# Altium PCB HACK_LINK_V1_new_power.PcbDoc (part 6 of 6)
Units mm, origin at the board's own origin, x right, y up, seen from the top; angles counter-clockwise.
Board outline 67.51 x 40.01 mm, 6 copper layers (L1, L2, L3, GND, POWER, L6); 277 components, 286 nets, 1682 pads, 596 vias.
Unrouted connection lines stored in the file: 4.
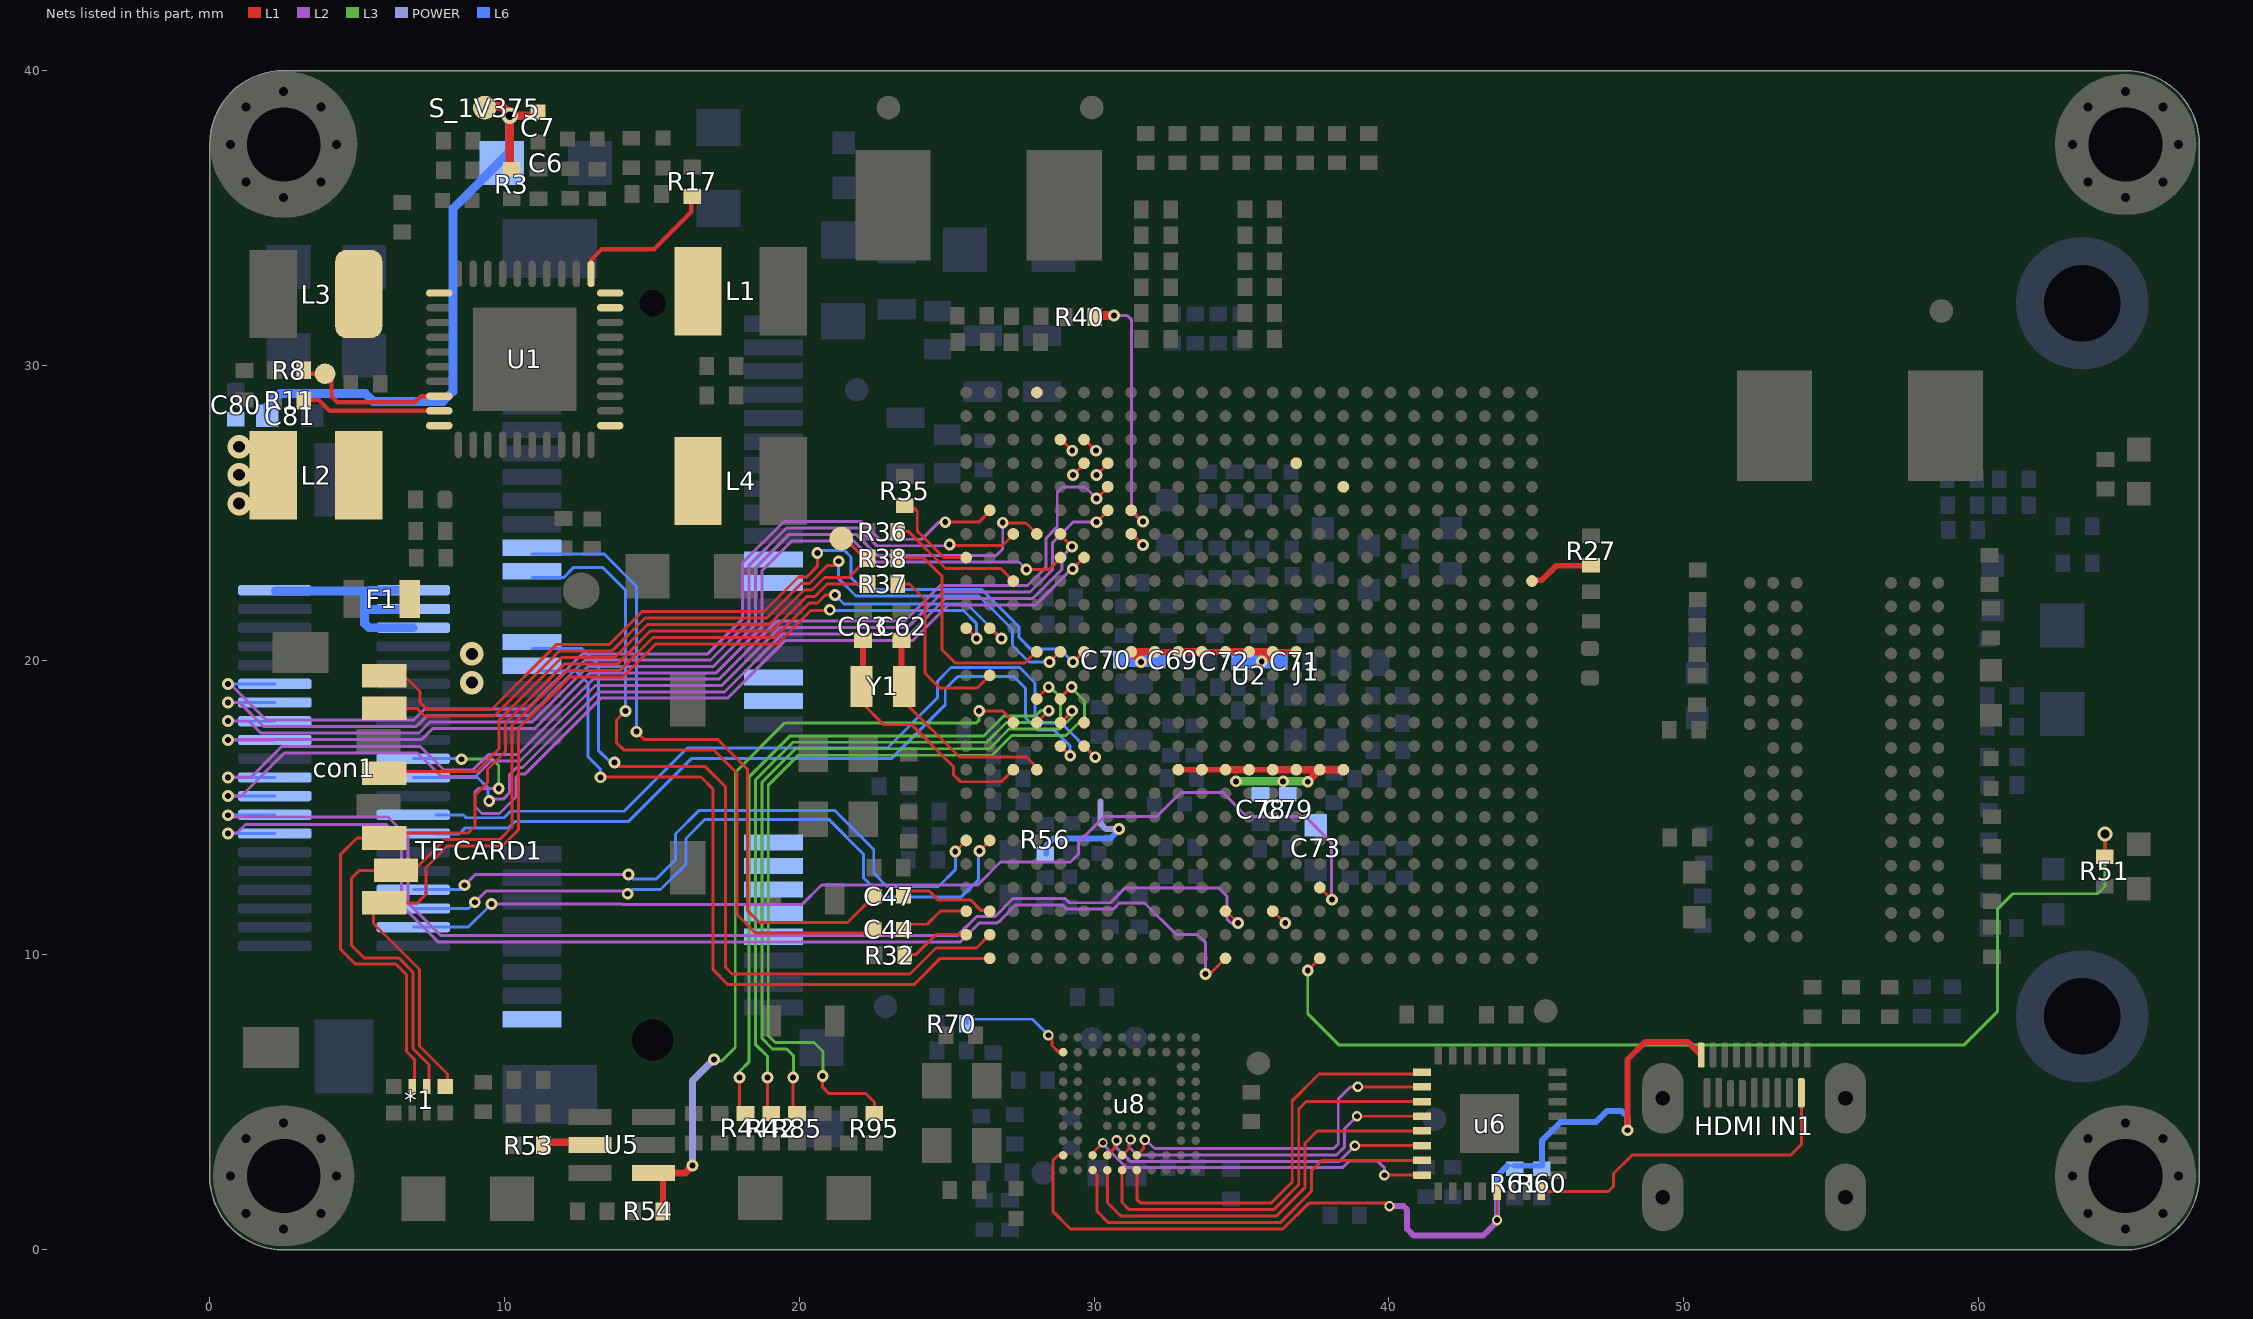
[diagram p10: the nets of this part, all layers, seen from the top]

## Via types
v1: diameter 0.4, hole 0.2, L1 to L6, tented both sides, 388 vias
v2: diameter 0.35, hole 0.2, L1 to L6, tented both sides, 45 vias
v3: diameter 0.45, hole 0.2, L1 to L6, tented both sides, 34 vias
v4: diameter 0.5, hole 0.3, L1 to L6, tented both sides, 31 vias
v5: diameter 0.8, hole 0.4, L1 to L6, 26 vias
v6: diameter 0.325, hole 0.2, L1 to L6, tented both sides, 14 vias
v7: diameter 0.6, hole 0.35, L1 to L6, 8 vias
v8: diameter 0.6, hole 0.3, L1 to L6, tented both sides, 6 vias
v9: diameter 0.45, hole 0.3, L1 to L6, tented both sides, 6 vias
v10: diameter 0.7, hole 0.4, L1 to L6, 5 vias
v11: diameter 0.7, hole 0.35, L1 to L6, 5 vias
v12: diameter 0.3, hole 0.2, L1 to L6, tented both sides, 4 vias
v13: diameter 0.7, hole 0.45, L1 to L6, tented both sides, 3 vias
v14: diameter 0.55, hole 0.3, L1 to L6, 3 vias
v15: diameter 0.5, hole 0.35, L1 to L6, 3 vias
v16: diameter 0.6, hole 0.35, L1 to L6, tented both sides, 2 vias
v17: diameter 0.7, hole 0.3, L1 to L6, 2 vias
v18: diameter 0.55, hole 0.3, L1 to L6, tented both sides, 2 vias
v19: diameter 0.4, hole 0.25, L1 to L6, tented both sides, 2 vias
v20: diameter 0.65, hole 0.335, L1 to L6, tented both sides, 1 vias
v21: diameter 0.6, hole 0.4, L1 to L6, tented both sides, 1 vias
v22: diameter 0.8, hole 0.45, L1 to L6, 1 vias
v23: diameter 0.9, hole 0.9, L1 to L6, 1 vias
v24: diameter 0.7, hole 0.7, L1 to L6, 1 vias
v25: diameter 0.4, hole 0.3, L1 to L6, tented both sides, 1 vias
v26: diameter 0.45, hole 0.25, L1 to L6, tented both sides, 1 vias

## Nets (pads, with @x,y where several pads share a name; then routed paths per layer and width w, separated by ;. In a path a pad name is that pad's centre, name@x,y a point inside that pad or via, vN(x,y) a via of type N, cw(c..) or ccw(c..) an arc to the next point about the centre after c; other vN are vias at no path point) (continued)
ON_OFF: R42.1 U2.D12 | length 24.5
  L1 w0.1: R42.1@18.916,4.563 v1@18.916,5.89 ; U2.D12@28.05,18.7 v1@28.41,19.06
  L3 w0.1: v1@18.925,5.9 18.925,6.55 18.505,6.97 18.505,15.938 19.782,17.215 26.357,17.215 27.027,17.885 28.685,17.885 28.857,18.057 28.857,18.743 28.515,19.085 v1(28.46,19.085)
  other v1: 18.916,5.84
PCI3_UIM_CLK: J1.12
PCIE_C_TX_N: C44.1 U2.A3 | length 2.3
  L1 w0.1: C44.1@23.541,11.04 24.341,11.04 24.791,11.49 U2.A3@25.654,11.49
PCIE_C_TX_P: C47.1 U2.B3 | length 3.2
  L1 w0.1: C47.1@23.541,12.165 24.404,12.165 24.699,11.87 25.803,11.87 26.173,11.5 U2.B3@26.45,11.5
PCIE_DIS_B: J1.20
PCIE_REXT: R32.2 U2.A2 | length 2.4
  L1 w0.1: R32.2@23.572,10.019 23.969,10.019 24.65,10.7 U2.A2@25.65,10.7
PCIE_RST_B: J1.22
PCIE_RX_N: J1.23 U2.B1 | length 25.2
  L1 w0.1: v1@13.266,16.034 16.66,16.034 17.075,15.619 17.075,9.493 17.568,9 23.9,9 24.784,9.884 U2.B1@26.46,9.884
  L6 w0.1: J1.23@11.21,19.634 12.416,19.634 12.825,19.225 12.825,16.725 13.251,16.299 v1(13.251,16.026)
PCIE_RX_P: J1.25 U2.B2 | length 25.9
  L1 w0.1: v1@13.712,16.388 16.807,16.388 17.5,15.695 17.5,9.569 17.715,9.354 23.753,9.354 24.637,10.238 26.014,10.238 U2.B2@26.46,10.684
  L6 w0.1: J1.25@10.929,20.399 12.627,20.399 13.179,19.847 13.179,16.946 13.6,16.525 v1(13.725,16.525)
PCIE_SMB_CLK: J1.30
PCIE_SMB_DATA: J1.32
PCIE_TX_N: C44.2 J1.31 | length 23.2
  L1 w0.1: v1(14.101,18.276) 13.8,17.975 13.8,17.2 14.041,16.959 17.084,16.959 17.881,16.162 17.881,11.368 18.503,10.746 22.406,10.746 C44.2@22.525,10.865
  L6 w0.1: J1.31@10.929,22.799 11.994,22.799 12.345,23.15 13.324,23.15 14.101,22.374 v1(14.101,18.276)
PCIE_TX_P: C47.2 J1.33 | length 22.8
  L1 w0.1: v1(14.475,17.575) 14.737,17.313 17.231,17.313 18.235,16.309 18.235,11.515 18.65,11.1 21.635,11.1 C47.2@22.525,11.99
  L6 w0.1: J1.33@10.929,23.599 13.376,23.599 14.475,22.5 v1(14.475,17.575)
PCIE_UIM_DATA: J1.10
PCIE_UIM_PWR: J1.8
PCIE_UIM_RST: J1.14
PCIE_UIM_VPP: J1.16
PCIE_WAKE: J1.1 U2.P3 | length 0.6
  L1 w0.1: U2.P3@36.076,11.494 v1(36.486,11.084)
PGOOD: R11.2 U1.39 | length 4.8
  L1 w0.15: R11.2@3.172,28.83 3.695,28.83 4.066,28.459 U1.39@7.782,28.459
PIX_IO1: con1.11 U2.E19 | length 27.8
  L1 w0.1: U2.E19@28.86,24.284 28.85,24.274 28.85,24.253 v1(29.251,23.851)
  L2 w0.1: v1(9.475,15.225) 9.592,15.342 9.649,15.285 9.951,15.285 10.165,15.499 10.165,16.115 10.41,16.36 10.61,16.36 13.175,18.925 17.464,18.925 19.434,20.895 23.767,20.895 24.962,22.09 27.921,22.09 28.905,23.074 28.905,23.505 v1(29.251,23.851)
  L6 w0.1: con1.11@6.9,16.022 9.078,16.022 9.43,15.67 9.43,15.27 v1(9.475,15.225)
PIX_PPM: con1.10 U2.F18 | length 29.8
  L1 w0.1: v1(29.275,23.099) U2.F18@29.66,23.484
  L2 w0.1: v1(9.8,15.65) 9.1,15.65 8.995,15.545 8.995,15.033 9.228,14.8 9.825,14.8 10.381,15.356 10.381,16.026 10.499,16.144 10.699,16.144 13.264,18.71 17.56,18.71 19.525,20.675 23.858,20.675 25.053,21.87 27.853,21.87 27.858,21.865 28.007,21.865 29.241,23.099 v1(29.275,23.099)
  L3 w0.1: v1(8.534,16.64) 9.585,16.64 9.8,16.425 v1(9.8,15.65)
  L6 w0.1: con1.10@6.9,16.657 v1@8.498,16.657
PMIC_ON_REQ: R44.1 U2.D11 | length 23
  L1 w0.1: R44.1@17.966,4.613 v1@17.966,5.89 ; U2.D11@28.05,17.875 v1@28.413,18.238
  L3 w0.1: 17.966,6.04 18.285,6.359 18.285,16.029 19.691,17.435 26.265,17.435 26.935,18.105 28.01,18.105 28.193,18.288 v1(28.463,18.288)
  other v1: 17.966,5.84
PMIC_STBY_REQ: U2.F11
POR_BN: R54.1 U2.C11 U5.1 | length 27.7
  L1 w0.1: U5.1@15.05,2.601 U5.1@15.369,2.6 ; U5.1@15.05,2.601 U5.1@15.369,2.601 ; v1(26.101,18.276) 26.899,18.276 U2.C11@27.275,17.9
  L1 w0.2: R54.1@15.369,1.396 U5.1@15.369,2.6 ; U5.1@15.369,2.601 U5.1@15.369,2.625
  L1 w0.25: U5.1@15.369,2.6 16.125,2.6 v1@16.35,2.825
  L3 w0.1: v1@17.1,6.4 17.364,6.4 17.825,6.861 17.825,16.192 19.508,17.875 26.014,17.875 26.101,17.962 v1(26.101,18.276)
  POWER w0.25: v1(16.375,2.85) 16.375,5.725 v1(17.1,6.45)
PWR_ON: R17.1 U1.21 | length 5.1
  L1 w0.15: U1.21@12.932,33.109 12.932,33.582 13.3,33.95 15.075,33.95 16.339,35.214 R17.1@16.339,35.739
RGMII_RSTN_R: U2.U21
RSTO: pad.9@3.906,29.719 R8.2 U1.38 | length 5.4
  L1 w0.15: R8.2@3.172,29.719 pad.9@3.906,29.719 4.125,29.5 4.125,28.95 4.325,28.75 6.95,28.75 7.159,28.959 U1.38@7.782,28.959
RSTOUTN_R: U2.H19 | length 0.5
  L1 w0.1: U2.H19@31.276,24.294 v1(31.661,23.909)
RTC_XTALI: C62.1 U2.D9 Y1.1 | length 7.5
  L1 w0.1: Y1.1@23.56,19.109 23.56,18.584 25.43,16.714 27.705,16.714 28.06,16.359 U2.D9@28.06,16.284
  L1 w0.2: Y1.1@23.468,19.201 C62.1@23.468,20.66
RTC_XTALO: C63.1 U2.C9 Y1.2 | length 8.6
  L1 w0.1: Y1.2@22.11,19.109 22.11,18.565 22.866,17.809 23.81,17.809 25.225,16.394 25.225,16.125 25.475,15.875 26.851,15.875 U2.C9@27.26,16.284
  L1 w0.2: Y1.2@22.157,19.156 C63.1@22.157,20.66
RXA_5V: "HDMI IN1.19" R60.2 R61.2 u6.13 u8.A2 | length 33.1
  L1 w0.1: u8.A2@28.95,3.2 28.775,3.2 28.6,3.025 28.6,1.3 29.205,0.695 36.406,0.695 37.286,1.575 v2@40.025,1.575 ; v2(43.675,1) u6.13@43.675,1.975
  L1 w0.2: v1(48.1,4.05) 48.1,6.45 48.7,7.05 50.15,7.05 50.6,6.6
  L2 w0.1: v2@43.675,0.95 v2(43.675,1)
  L2 w0.2: v2(40.025,1.475) 40.5,1.475 40.625,1.35 40.625,0.7 40.85,0.475 43.2,0.475 v2@43.675,0.95
  L6 w0.1: R61.2@44.021,2.846 R61.2@44.27,2.846
  L6 w0.2: v2(43.675,1) 43.675,2.5 R61.2@44.021,2.846 ; R61.2@44.27,2.846 45.195,2.846 45.195,3.695 45.825,4.325 47.025,4.325 47.4,4.7 47.9,4.7 48.1,4.5 v1(48.1,4.05)
SCLK: R70.1 u8.A9 | length 4
  L1 w0.1: v2(28.45,7.275) 28.57,7.155 28.57,6.93 28.8,6.7 u8.A9@28.95,6.7
  L6 w0.1: R70.1@25.694,7.666 25.694,7.818 27.907,7.818 v2(28.45,7.275)
SD3_CD: R35.2 U2.A18 | length 3.4
  L1 w0.1: R35.2@23.347,25.244 23.806,25.244 24,25.05 24,24.386 24.902,23.484 U2.A18@25.66,23.484
SD3_CLK: "TF CARD1.5" pad.0@21.425,24.125 R38.2 | length 21.1
  L1 w0.1: 5.553,16.151 5.704,16 ; 6.175,16.225 9.042,16.225 9.81,16.993 9.81,17.963 11.932,20.085 13.727,20.085 14.852,21.21 18.982,21.21 20.157,22.385 20.433,22.385 20.854,22.806 21.68,22.806 R38.2@22.335,23.461 22.214,23.461 21.625,24.05 pad.0@21.425,24.125
SD3_CLK_R: R38.1 U2.D14 | length 7.8
  L1 w0.1: R38.1@23.335,23.461 24.233,23.461 24.835,22.859 24.835,20.359 25.284,19.91 27.66,19.91 28.05,20.3 U2.D14@28.05,20.274
SD3_CMD: "TF CARD1.3" *1.7 R37.2 | length 32.9
  L1 w0.1: *1.7@6.935,5.534 6.935,6.462 6.67,6.727 6.67,9.324 6.309,9.685 4.94,9.685 4.425,10.2 4.425,13.4 4.992,13.967 5.918,13.967 6.091,14.14 8.765,14.14 8.995,14.37 8.995,15.42 9.42,15.845 9.42,16.292 10.03,16.902 10.03,17.872 12.023,19.865 13.818,19.865 14.943,20.99 19.073,20.99 20.248,22.165 20.524,22.165 20.945,22.586 R37.2@22.335,22.586
SD3_CMD_R: R37.1 U2.B13 | length 6.2
  L1 w0.1: R37.1@23.335,22.586 23.733,22.586 24.26,22.059 24.26,19.559 24.76,19.059 26.035,19.059 U2.B13@26.46,19.484
SD3_DATA0: "TF CARD1.7" U2.E14 | length 28.6
  L1 w0.1: 5.553,18.351 6.718,18.351 ; 5.918,18.367 7.022,18.367 7.28,18.109 9.645,18.109 11.841,20.305 13.636,20.305 14.761,21.43 18.891,21.43 20.066,22.605 20.342,22.605 20.946,23.209 v1@21.335,23.209 ; v1(28.485,19.934) U2.E14@28.85,20.3
  L6 w0.1: v1(21.335,23.359) 21.335,22.765 21.925,22.175 26.1,22.175 27.23,21.045 27.23,20.495 27.791,19.934 v1(28.485,19.934)
SD3_DATA1: "TF CARD1.8" U2.F14 | length 29.6
  L1 w0.1: 5.553,19.451 6.618,19.451 7.13,18.939 7.13,18.57 7.371,18.329 9.554,18.329 11.75,20.525 13.544,20.525 14.669,21.65 18.8,21.65 19.975,22.825 20.251,22.825 20.61,23.184 v1(20.61,23.634) ; v1(29.284,19.934) U2.F14@29.65,20.3
  L6 w0.1: v1(20.61,23.634) 20.705,23.729 21.521,23.729 21.75,23.5 21.75,22.795 22.15,22.395 26.191,22.395 27.45,21.136 27.45,20.775 27.85,20.375 28.843,20.375 v1(29.284,19.934)
SD3_DATA2: "TF CARD1.1" *1.5 U2.A15 | length 35.2
  L1 w0.1: 5.553,11.751 5.553,11.063 7.11,9.506 7.11,6.909 8.06,5.959 *1.5@8.06,5.534 ; 5.918,11.767 7.042,11.767 7.331,12.056 7.331,12.969 8.061,13.7 9.925,13.7 10.47,14.245 10.47,17.689 12.206,19.425 14,19.425 15.125,20.55 19.256,20.55 20.39,21.684 v1@21.035,21.684 ; U2.A15@25.65,21.1 v1(26.016,20.734)
  L6 w0.1: v1@21.035,21.684 25.566,21.684 26.016,21.234 v1(26.016,20.734)
  other v1: 21.035,21.709
SD3_DATA3: "TF CARD1.2" *1.6 U2.B15 | length 37.8
  L1 w0.1: 6.318,12.867 5.067,12.867 4.8,12.6 4.8,10.325 5.225,9.9 6.405,9.9 6.89,9.415 6.89,6.818 7.435,6.273 *1.6@7.435,5.534 ; 6.525,12.867 6.917,12.867 7.97,13.92 9.834,13.92 10.25,14.336 10.25,17.781 12.114,19.645 13.909,19.645 15.034,20.77 19.164,20.77 20.339,21.945 20.615,21.945 20.881,22.211 v1(21.212,22.211) ; U2.B15@26.45,21.1 v1@26.816,20.734
  L6 w0.1: v1(21.212,22.211) 21.518,21.904 25.69,21.904 v1(26.86,20.734)
SD3_WP: R36.1 U2.C17 | length 4.6
  L1 w0.1: R36.1@23.335,24.361 23.714,24.361 24.961,23.114 26.83,23.114 U2.C17@27.26,22.684
SENSE_RESET: R53.1 U5.5 | length 1.5
  L1 w0.254: R53.1@11.372,3.651 U5.5@12.85,3.651
SOC_1V375: C6.1 C7.1 C69.1 C70.1 C71.1 C72.1 C73.1 C78.1 C79.1 C80.1 C81.1 L2.2 pad.11@1.725,26.3 R3.2 R56.1 S_1V375.1 U2.H14 U2.J14 U2.K9 U2.K14 U2.L9 U2.L14 U2.M9 U2.M14 U2.N9 U2.N14 U2.P9 U2.P14 U2.R9 U2.R14 U2.T9 U2.U9 | length 45.1
  L1 w0.15: L2.2@1.9,26.275 L2.2@2.306,25.869
  L1 w0.2: U2.J14@32.06,20.284 U2.K14@32.86,20.284 ; U2.K9@32.86,16.284 U2.L9@33.66,16.284 U2.M9@34.46,16.284 ; U2.L14@33.66,20.284 U2.M14@34.46,20.284 ; U2.N9@35.26,16.284 U2.P9@36.06,16.284 ; U2.P14@36.06,20.284 U2.R14@36.86,20.284
  L1 w0.25: v1@31.61,19.934 U2.H14@31.26,20.284 U2.J14@32.06,20.284 ; U2.K14@32.86,20.284 U2.L14@33.66,20.284 ; U2.M14@34.46,20.284 U2.N14@35.26,20.284 U2.P14@36.06,20.284 v1@35.71,19.934
  L1 w0.254: U2.M9@34.46,16.284 U2.N9@35.26,16.284 ; U2.P9@36.06,16.284 U2.R9@36.86,16.284 U2.T9@37.66,16.284 ; v1@37.295,15.919 U2.T9@37.66,16.284 ; U2.U9@38.46,16.284 U2.T9@37.66,16.284
  L1 w0.3: L2.2@1.9,26.275 L2.2@1.9,27.527 ; S_1V375.1@9.2,38.8 9.9,38.8 10.175,38.525 v14(10.175,38.475) ; R3.2@10.246,36.656 10.175,36.727 v14(10.175,38.475) ; C7.1@11,38.475 v14(10.175,38.475)
  L3 w0.3: v1(34.816,15.89) v1(36.416,15.89) v1@37.251,15.89
  POWER w0.2: 30.225,15.2 30.225,14.45 30.4,14.275 v1(30.85,14.275)
  L6 w0.2: R56.1@28.379,13.431 28.379,13.704 28.625,13.95 30.55,13.95 v1@30.9,14.3
  L6 w0.254: C81.1@1.95,28.3 C81.1@1.95,28.625
  L6 w0.3: C81.1@1.95,28.625 2.375,29.05 5.275,29.05 5.545,28.78 7.905,28.78 8.247,29.122 8.247,35.322 10.175,37.25 v14(10.175,38.475)
  L6 w0.5: C70.1@30.891,20.015 C69.1@32.166,20.015 ; C72.1@34.916,19.965 C71.1@36.316,19.965
  other v1: 37.251,15.875 31.591,19.94 35.691,19.953
  other v5: 0.991,25.315 0.991,26.29 0.991,27.24
SW1: L2.1 U1.40
SW2: L3.1 U1.31
SW3: L1.1 U1.20
SW4: L4.1 U1.11
TAMPER: R85.1 U2.E11 | length 24.2
  L1 w0.1: R85.1@19.791,4.588 v1@19.791,5.89 ; U2.E11@28.859,17.865 v1@29.225,18.231
  L3 w0.1: v1@19.8,5.875 19.8,6.581 19.571,6.81 19.093,6.81 18.725,7.178 18.725,15.847 19.873,16.995 26.448,16.995 27.118,17.665 28.84,17.665 29.25,18.075 v1(29.25,18.281)
  other v1: 19.791,5.84
TEST_MODE: R95.2 U2.E12 | length 27.6
  L1 w0.1: v1(20.791,5.89) 20.791,5.509 21,5.3 22.25,5.3 22.546,5.004 R95.2@22.546,4.581 ; U2.E12@28.825,18.7 v1@29.141,19.016
  L3 w0.1: v1@20.8,5.85 20.8,6.725 20.495,7.03 19.184,7.03 18.945,7.269 18.945,15.756 19.964,16.775 26.539,16.775 27.209,17.445 29.045,17.445 29.675,18.075 29.675,18.625 29.241,19.059 v1(29.241,19.091) v1@29.191,19.091
TX_CK+: u6.7 u8.C1 | length 13.9
  L1 w0.1: u8.C1@29.95,2.7 30.1,2.55 30.1,1.3 30.485,0.915 36.315,0.915 37.385,1.985 37.385,2.685 37.725,3.025 u6.7@41.125,3.025
TX_CK-: u6.8 u8.C2 | length 12.2
  L1 w0.1: u8.C2@29.95,3.2 29.95,3.274 v6(30.301,3.625) ; v2(39.85,2.525) u6.8@41.125,2.525
  L2 w0.1: v6@30.276,3.599 31.096,2.779 31.893,2.779 31.895,2.781 32.355,2.781 32.357,2.779 38.429,2.779 38.65,3 39.625,3 39.85,2.775 v2(39.85,2.525)
TX_D0+: u6.5 u8.D1 | length 14
  L1 w0.1: u8.D1@30.45,2.7 30.45,1.6 30.915,1.135 36.185,1.135 37.165,2.115 37.165,3.615 37.575,4.025 u6.5@41.125,4.025
TX_D0-: u6.6 u8.D2 | length 11.6
  L1 w0.1: u8.D2@30.45,3.2 30.7,3.45 v2@30.7,3.675 ; v2(38.85,3.525) u6.6@41.125,3.525
  L2 w0.1: v2(30.765,3.709) 30.765,3.46 31.229,2.996 32.444,2.996 32.446,2.994 38.319,2.994 v2(38.85,3.525)
TX_D1+: u6.3 u8.E1 | length 14.4
  L1 w0.1: u8.E1@30.95,2.7 30.95,1.6 31.195,1.355 36.094,1.355 36.945,2.206 36.945,4.77 37.2,5.025 u6.3@41.125,5.025
TX_D1-: u6.4 u8.E2 | length 11.8
  L1 w0.1: u8.E2@30.95,3.2 31.2,3.45 v2@31.2,3.675 ; v2(38.925,4.525) u6.4@41.125,4.525
  L2 w0.1: v2@31.19,3.709 31.19,3.485 31.463,3.212 32.534,3.212 32.536,3.21 38.223,3.21 38.505,3.491 38.505,4.106 v2(38.925,4.525)
  other v2: 31.24,3.734
TX_D2+: u6.1 u8.F1 | length 14.7
  L1 w0.1: 31.45,2.225 u8.F1@31.45,2.7 31.45,1.71 31.585,1.575 36.003,1.575 36.725,2.297 36.725,5.05 37.63,5.955 41.055,5.955 u6.1@41.125,6.025
TX_D2-: u6.2 u8.F2 | length 11.8
  L1 w0.1: u8.F2@31.45,3.2 31.675,3.425 v2@31.675,3.7 ; v2(38.95,5.525) u6.2@41.125,5.525
  L2 w0.1: v2@31.765,3.709 32.047,3.427 32.623,3.427 32.625,3.425 38.128,3.425 38.285,3.582 38.285,5.11 38.7,5.525 v2(38.95,5.525)
  other v2: 31.725,3.725
UART1_CTS: con1.30 U2.G21 | length 37.8
  L1 w0.1: v1(30.085,25.483) U2.G21@30.47,25.868
  L2 w0.1: v1@0.616,16.04 1.404,16.04 2.439,17.075 7.133,17.075 7.938,16.27 8.92,16.27 9.445,16.795 10.436,16.795 12.997,19.356 17.272,19.356 19.252,21.335 23.585,21.335 24.78,22.53 27.738,22.53 28.375,23.167 28.375,24.15 28.75,24.525 28.75,25.7 28.925,25.875 29.693,25.875 v1(30.085,25.483)
  L6 w0.1: v1@0.603,16.022 con1.30@2.2,16.022
  other v1: 0.616,16.015
UART1_DCD: U2.D25
UART1_DSR: U2.G22 | length 0.5
  L1 w0.1: v1(30.085,26.283) U2.G22@30.47,26.668
UART1_DTR: U2.F22 | length 0.5
  L1 w0.1: v1(29.285,26.283) U2.F22@29.67,26.668
UART1_RI: U2.F23 | length 0.5
  L1 w0.1: U2.F23@29.676,27.494 v1(30.061,27.109)
UART1_RTS: con1.29 U2.G20 | length 36.7
  L1 w0.1: v1(30.085,24.683) U2.G20@30.47,25.068
  L2 w0.1: v1@0.616,15.395 1.07,15.395 2.525,16.85 7.047,16.85 7.847,16.05 9.011,16.05 9.536,16.575 10.52,16.575 13.086,19.14 17.368,19.14 19.343,21.115 23.676,21.115 24.871,22.31 27.829,22.31 28.595,23.076 28.595,23.995 29.283,24.683 v1(30.085,24.683)
  L6 w0.1: v1@0.582,15.387 con1.29@2.2,15.387
  other v1: 0.616,15.39
UART1_RXD: con1.28 U2.M3 | length 41.2
  L1 w0.1: U2.M3@34.476,11.494 v1(34.886,11.084)
  L2 w0.1: v1@0.616,14.765 0.7,14.681 6.044,14.681 6.725,14 6.725,11.767 7.827,10.665 25.376,10.665 26.009,11.298 26.626,11.298 26.673,11.345 26.686,11.345 27.251,11.91 29.024,11.91 29.164,11.77 30.556,11.77 31.061,12.275 34.218,12.275 34.516,11.977 34.516,11.209 34.641,11.084 v1(34.886,11.084)
  L6 w0.1: v1@0.577,14.752 con1.28@2.2,14.752
  other v1: 0.616,14.74
UART1_TXD: con1.27 U2.M1 | length 41.3
  L1 w0.1: v1(33.777,9.35) 33.926,9.35 U2.M1@34.46,9.884
  L2 w0.1: v1@0.616,14.14 0.92,14.14 1.205,14.425 5.989,14.425 6.505,13.909 6.505,11.676 7.736,10.445 25.467,10.445 26.105,11.083 26.721,11.083 26.764,11.125 26.77,11.125 27.34,11.694 28.935,11.694 29.061,11.568 29.079,11.55 30.647,11.55 30.862,11.765 31.71,11.765 32.787,10.688 33.512,10.688 33.787,10.413 33.787,9.49 33.926,9.35 v1(33.777,9.35)
  L6 w0.1: v1@0.567,14.117 con1.27@2.2,14.117
  other v1: 0.616,14.115
UART2_CTS: con1.35 U2.B20 | length 32.5
  L1 w0.1: v1(24.95,24.683) 26.085,24.683 U2.B20@26.47,25.068
  L2 w0.1: v1@0.616,19.205 0.672,19.205 1.907,17.97 6.912,17.97 7.287,18.345 10.767,18.345 12.64,20.217 16.89,20.217 18.065,21.393 18.065,23.298 19.477,24.71 22.109,24.71 22.716,24.103 24.153,24.103 24.733,24.683 v1(24.95,24.683)
  L6 w0.1: v1@0.582,19.197 con1.35@2.2,19.197
  other v1: 0.616,19.19
UART2_RTS: con1.34 U2.C19 | length 32.9
  L1 w0.1: v1@25.1,23.89 26.892,23.89 U2.C19@27.27,24.268 ; v1(25.1,23.925) v1@25.111,23.914
  L2 w0.1: v1@0.616,18.57 0.996,18.57 1.816,17.75 7.003,17.75 7.378,18.125 10.852,18.125 12.729,20.002 16.985,20.002 18.285,21.302 18.285,23.207 19.568,24.49 22.018,24.49 22.625,23.883 v1@25.058,23.883
  L6 w0.1: v1@0.582,18.562 con1.34@2.2,18.562
  other v1: 0.616,18.565
UART2_RXD: con1.32 U2.E18 | length 34.3
  L1 w0.1: v1(27.701,23.076) 28.478,23.076 U2.E18@28.87,23.468
  L2 w0.1: v1@0.616,17.31 7.185,17.31 7.56,17.685 11.021,17.685 12.907,19.571 17.177,19.571 18.725,21.119 18.725,23.025 19.75,24.05 21.836,24.05 22.551,23.335 27.449,23.335 v1@27.701,23.083
  L6 w0.1: v1@0.603,17.292 con1.32@2.2,17.292
  other v1: 0.616,17.29
UART2_TXD: con1.33 U2.D19 | length 34.6
  L1 w0.1: v1(26.901,24.667) 26.914,24.654 27.69,24.654 U2.D19@28.06,24.284
  L2 w0.1: v1@0.616,17.945 1.31,17.945 1.725,17.53 7.094,17.53 7.469,17.905 10.937,17.905 12.818,19.787 17.081,19.787 18.505,21.211 18.505,23.116 19.659,24.27 21.927,24.27 22.642,23.555 26.68,23.555 26.901,23.776 v1(26.901,24.667)
  L6 w0.1: v1@0.603,17.927 con1.33@2.2,17.927
  other v1: 0.616,17.94
USB0_ID: con1.19 U2.T4 | length 36.4
  L1 w0.1: U2.T4@37.685,12.265 v1(38.075,11.875)
  L2 w0.1: v1@9.624,11.725 14.002,11.725 14.022,11.705 20.083,11.705 20.753,12.375 26.053,12.375 26.826,13.148 29.198,13.148 29.475,13.425 29.475,13.825 30.34,14.69 32.115,14.69 32.929,15.504 34.371,15.504 35.175,14.7 37.168,14.7 38.05,13.818 v1@38.05,11.875
  L6 w0.1: con1.19@6.9,10.942 8.767,10.942 v1(9.552,11.727)
USB0_N: con1.18 U2.B6 | length 24.3
  L1 w0.1: v1(26.11,13.528) U2.B6@26.476,13.894
  L2 w0.1: v1@9.039,11.838 9.363,12.162 14.088,12.162 v1(14.175,12.075)
  L6 w0.1: con1.18@6.9,11.577 8.778,11.577 v1@9.039,11.838 ; v1(14.175,12.075) 14.321,12.221 15.293,12.221 16.15,13.078 16.15,13.951 16.799,14.6 20.999,14.6 22.171,13.428 22.171,12.628 22.828,11.971 25.496,11.971 26.075,12.55 v1@26.075,13.528
  other v1: 8.989,11.788
USB0_P: con1.17 U2.A6 | length 23.1
  L1 w0.1: v1(25.291,13.509) U2.A6@25.676,13.894
  L2 w0.1: v1@8.691,12.415 9.001,12.725 v1(14.2,12.725)
  L6 w0.1: con1.17@6.9,12.212 8.489,12.212 v1@8.691,12.415 ; v1(14.2,12.725) 14.35,12.575 15.146,12.575 15.796,13.225 15.796,14.098 16.603,14.905 21.195,14.905 22.525,13.575 22.525,12.775 22.975,12.325 24.725,12.325 25.291,12.891 v1(25.291,13.509)
  other v1: 8.641,12.365
USB0_PWR_EN: U2.E23 | length 0.5
  L1 w0.1: U2.E23@28.876,27.494 v1(29.261,27.109)
USB1_N: con1.13 U2.F10 | length 27.3
  L1 w0.1: U2.F10@29.65,17.1 v1(30.041,16.709)
  L6 w0.1: con1.13@7.675,14.75 8.6,14.75 8.696,14.654 9.978,14.654 10.199,14.875 14.05,14.875 16.2,17.025 22.988,17.025 24.687,18.724 24.687,19.287 25.15,19.75 27.475,19.75 28,19.225 28,18.15 28.275,17.875 28.875,17.875 v1(30.041,16.709)
USB1_P: con1.14 U2.E10 | length 26.4
  L1 w0.1: U2.E10@28.85,17.1 v1(29.191,16.759)
  L6 w0.1: con1.14@7.7,14.1 8.45,14.1 8.65,14.3 10.125,14.3 10.346,14.521 14.197,14.521 16.347,16.671 23.135,16.671 24.95,18.486 24.95,19.025 25.375,19.45 27.274,19.45 27.675,19.049 27.675,18.05 28.1,17.625 28.65,17.625 29.191,17.084 v1(29.191,16.759)
USB_OC: R40.1 U2.H20 | length 8.9
  L1 w0.1: U2.H20@31.276,25.094 v1(31.661,24.709)
  L1 w0.3: R40.1@30.023,31.7 v1(30.675,31.7)
  L2 w0.1: v1(30.675,31.7) 31.125,31.7 31.275,31.55 31.275,25.05 31.616,24.709 v1(31.661,24.709)
USER_LED: R51.2 U2.T1 | length 36.2
  L1 w0.1: v1(37.25,9.474) U2.T1@37.66,9.884 ; R51.2@64.321,13.431 v4@64.321,14.079
  L3 w0.1: v1(37.25,9.474) 37.25,8 38.3,6.95 59.525,6.95 60.65,8.075 60.65,11.55 61.175,12.075 64.05,12.075 64.3,12.325 v4(64.3,14.1)
UTILITY_CON: "HDMI IN1.2" u6.16 | length 11.5
  L1 w0.1: u6.16@45.175,1.975 47.45,1.975 47.625,2.15 47.625,2.58 48.25,3.205 53.63,3.205 54,3.575 54,5.325
VIN: con1.1 con1.2 con1.3 con1.40 F1.1 pad.11@8.9,20.125 | length 10
  L6 w0.1: con1.40@2.222,22.35 cw(c2.222,22.372) con1.40@2.2,22.372 ccw(c2.272,22.372) con1.40@2.272,22.3
  L6 w0.3: con1.40@2.222,22.35 con1.1@6.1,22.35 ; con1.2@6.888,21.725 5.25,21.725 ; con1.3@6.9,21.102 5.398,21.102 5.25,21.25 5.25,21.725 ; con1.1@6.9,22.372 5.422,22.372 5.25,22.2 5.25,21.725
  other v5: 8.891,19.24 8.891,20.215
VSTB: U1.19
WD_OUT: U2.R22
ZQPAD: R27.1 U2.AE17 | length 2.2
  L1 w0.2: U2.AE17@44.85,22.711 45.183,22.711 45.678,23.206 R27.1@46.846,23.206
pads on no net: "HDMI IN1.0" "HDMI IN1.15" "J1. 43" "J1. " "TF CARD1.NC1" "TF CARD1.NC2" "TF CARD1.NC" con1.0 con1.22 con1.23 con1.24 con1.25 con1.26 J1.3 J1.5 J1.7 J1.17 J1.19 J1.36 J1.38 J1.42 J1.44 J1.45 J1.46 J1.47 J1.49 J1.51 R72.2 SW2.3 U1.26 U1.28 U2.A9 U2.A10 U2.A11 U2.A12 U2.A14 U2.A16 U2.A17 U2.A19 U2.A20 U2.A21 U2.A22 U2.A23 U2.A24 U2.AA1 U2.AA2 U2.AA3 U2.AA4 U2.AA11 U2.AA17 U2.AA18 U2.AA20 U2.AA21 U2.AA23 U2.AA24 U2.AA25 U2.AB1 U2.AB2 U2.AB17 U2.AB18 U2.AB19 U2.AB20 U2.AB21 U2.AB22 U2.AB23 U2.AB25 U2.AC18 U2.AC19 U2.AC20 U2.AC21 U2.AC22 U2.AC23 U2.AC24 U2.AC25 U2.AD17 U2.AD18 U2.AD20 U2.AD21 U2.AD23 U2.AD24 U2.AD25 U2.AE18 U2.AE19 U2.AE20 U2.AE21 U2.AE22 U2.AE23 U2.AE24 U2.B8 U2.B9 U2.B10 U2.B11 U2.B12 U2.B14 U2.B16 U2.B17 U2.B18 U2.B19 U2.B21 U2.B22 U2.B23 U2.B24 U2.B25 U2.C5 U2.C8 U2.C13 U2.C14 U2.C15 U2.C16 U2.C18 U2.C20 U2.C21 U2.C22 U2.C23 U2.C24 U2.C25 U2.D1 U2.D2 U2.D4 U2.D5 U2.D13 U2.D15 U2.D16 U2.D17 U2.D18 U2.D20 U2.D21 U2.D22 U2.D23 U2.E1 U2.E2 U2.E3 U2.E4 U2.E13 U2.E15 U2.E16 U2.E17 U2.E20 U2.E21 U2.E22 U2.E24 U2.E25 U2.F1 U2.F2 U2.F3 U2.F4 U2.F13 U2.F15 U2.F16 U2.F17 U2.F19 U2.F20 U2.F24 U2.F25 U2.G1 U2.G2 U2.G4 U2.G12 U2.G13 U2.G23 U2.H1 U2.H2 U2.H3 U2.H4 U2.H22 U2.H23 U2.H24 U2.J1 U2.J3 U2.J4 U2.J5 U2.J6 U2.J19 U2.J21 U2.J22 U2.J23 U2.J24 U2.K1 U2.K2 U2.K3 U2.K4 U2.K5 U2.K6 U2.K20 U2.K22 U2.K23 U2.L7 U2.M7 U2.M25 U2.N2 U2.N19 U2.N20 U2.N21 U2.N22 U2.N25 U2.P4 U2.P6 U2.P20 U2.P21 U2.P22 U2.P23 U2.P24 U2.P25 U2.R1 U2.R2 U2.R3 U2.R4 U2.R5 U2.R6 U2.R7 U2.R20 U2.R21 U2.R23 U2.R24 U2.R25 U2.T2 U2.T3 U2.T5 U2.T6 U2.T7 U2.T20 U2.T21 U2.T22 U2.T23 U2.T24 U2.T25 U2.U1 U2.U2 U2.U3 U2.U4 U2.U5 U2.U6 U2.U7 U2.U20 U2.U23 U2.U24 U2.U25 U2.V1 U2.V2 U2.V3 U2.V4 U2.V5 U2.V6 U2.V7 U2.V20 U2.V21 U2.V22 U2.V23 U2.V25 U2.W1 U2.W2 U2.W4 U2.W5 U2.W6 U2.W20 U2.W21 U2.W22 U2.W23 U2.W24 U2.W25 U2.Y1 U2.Y2 U2.Y3 U2.Y4 U2.Y17 U2.Y18 U2.Y19 U2.Y20 U2.Y21 U2.Y22 U2.Y23 U2.Y25 U3.J1 U3.L1 U3.L9 U4.J9 U4.L1 U4.L9 u6.25 u6.26 u6.29 u6.31 u6.EXP u8.B4 u8.C9 u8.C10 u8.D9 u8.H1 u8.H2 u8.J1 u8.J2 u8.J3 u8.K1 u8.K2 u8.K3
copper on no net: | length 17
  L1 w0.15: 24.75,9.5 24.75,8.975 28.15,8.975 ; 24.75,27.25 24.75,29.975 27.225,29.975 ; 43.025,29.975 45.75,29.975 45.75,27.5 ; 43.75,9 45.75,9 45.75,9.65
  other v23: 4.55,24.025
  other v24: 4.55,8.655

## Polygon pours and split planes (outlines as drawn)
+DDR_VREF on POWER "Top Layer-No Net" (solid, remove dead copper, pour order 32): 56.385,15.959 56.185,15.759 56.185,15.459 50.931,15.459 cw(c50.931,15.63) 50.81,15.509 ccw(c50.75,15.569) 50.835,15.569 50.835,16.784 56.531,16.784 ccw(c56.531,17.638) 57.135,17.034
+1V5_DDR on POWER "Top Layer-No Net" (solid, remove dead copper, pour order 42): 47.825,6.575 60.475,6.575 ccw(c60.475,7.775) 61.675,7.775 61.675,29.1 ccw(c60.425,29.1) 60.425,30.35 47.575,30.35 ccw(c47.575,29.3) 46.525,29.3 46.525,7.9 ccw(c47.925,7.9) 47.925,6.5
+1V5_DDR on POWER "Top Layer-No Net" (solid, remove dead copper, pour order 44): 61.806,30.185 21.948,30.185 ccw(c21.948,28.917) 20.68,28.917 20.68,25.192 ccw(c21.43,25.192) 21.43,24.442 37.58,24.442 cw(c37.58,23.342) 38.68,23.342 38.68,16.367 ccw(c39.48,16.367) 39.48,15.567 40.855,15.567 ccw(c40.855,16.042) 41.33,16.042 41.33,24.017 cw(c42.08,24.017) 42.08,24.767 48.13,24.767
ARM_1V375 on POWER "Top Layer-No Net" (solid, remove dead copper, pour order 47): 27.425,22.775 36.575,22.775 cw(c36.575,22.1) 37.25,22.1 37.25,20.7 cw(c36.9,20.7) 36.9,20.35 18.45,20.35 cw(c18.45,21.425) 17.375,21.425 17.375,37.65 cw(c17.875,37.65) 17.875,38.15 20.55,38.15 cw(c20.55,37.65) 21.05,37.65 21.05,35 cw(c20.125,35) 20.125,34.075 ccw(c20.125,33.325) 19.375,33.325 19.375,32.475 19.375,23.45 ccw(c19.975,23.45) 19.975,22.85 27.6,22.85 ccw(c27.6,22.875) 27.625,22.875
SOC_1V375 on POWER "Top Layer-No Net" (solid, remove dead copper, pour order 55): 0.1,28 16.325,28 cw(c16.325,27.375) 16.95,27.375 16.95,27.2 16.95,21.175 ccw(c18.075,21.175) 18.075,20.05 37.425,20.05 cw(c37.425,19.3) 38.175,19.3 38.175,15.35 cw(c37.725,15.35) 37.725,14.9 24.1,14.9 cw(c24.1,15.9) 23.1,15.9 23.1,17.45 ccw(c22.65,17.45) 22.65,17.9 15.8,17.9 cw(c15.8,18.8) 14.9,18.8 14.9,23.7 ccw(c14.05,23.7) 14.05,24.55 0.225,24.55 cw(c0.225,24.95) -0.175,24.95 -0.175,27.45 cw(c0.275,27.45) 0.275,27.9
GND on L1 "Top Layer-No Net" (solid, remove dead copper, pour order 48): 17.425,19.825 23.825,19.825 cw(c23.825,19.275) 24.375,19.275 24.375,9.65 cw(c24,9.65) 24,9.275 17.6,9.275 cw(c17.6,9.6) 17.275,9.6 17.275,19.45 cw(c17.65,19.45) 17.65,19.825
GND on L1 "Top Layer-No Net" (solid, remove dead copper, pour order 46): 21.2,19.9 cw(c21.3,19.9) 21.3,20 24.05,20 24.1,20 ccw(c24.1,20.625) 24.725,20.625 24.725,29.125 ccw(c24,29.125) 24,29.85 21.65,29.85 ccw(c21.65,29.55) 21.35,29.55 21.35,20.35 ccw(c21.675,20.35) 21.675,20.025
GND on L1 "Top Layer-No Net" (solid, remove dead copper, pour order 43): 50.525,29.925 54.3,29.925 cw(c54.3,29.625) 54.6,29.625 54.6,18 cw(c53.875,18) 53.875,17.275 49.35,17.275 cw(c49.35,17.95) 48.675,17.95 48.675,25.275 cw(c49.3,25.275) 49.3,25.9 50.575,25.9 ccw(c50.575,26.325) 51,26.325 51,29.7 cw(c51.25,29.7) 51.25,29.95
GND on L1 "Top Layer-No Net" (solid, remove dead copper, pour order 41): 28.25,7.95 28.3,7.9 28.3,0.625 28.3,0.275 cw(c28.175,0.275) 28.175,0.15 27.85,0.15 21.45,0.15 cw(c21.45,1) 20.6,1 20.6,7.925 cw(c21.425,7.925) 21.425,8.75 27.7,8.75 cw(c27.7,8.15) 28.3,8.15 28.3,7.95
+1V5_DDR on L1 "Top Layer-No Net" (solid, remove dead copper, pour order 39): 18.3,24.375 20.409,24.375 ccw(c20.409,24.716) 20.65,24.475 ccw(c20.409,24.716) 20.75,24.716 20.75,25 cw(c21.112,25) 20.856,25.256 20.9,25.3 cw(c21.141,25.059) 21.141,25.4 22.2,25.4 ccw(c22.2,25.702) 22.413,25.488 22.475,25.55 ccw(c22.173,25.852) 22.6,25.852 22.6,28 22.6,28.053 ccw(c22.003,28.053) 22.425,28.475 ccw(c21.942,27.992) 21.942,28.675 20.25,28.675 18.516,28.675 ccw(c18.516,28.334) 18.275,28.575 ccw(c18.396,28.454) 18.225,28.454 18.225,24.5 ccw(c18.346,24.5) 18.26,24.415 18.3,24.375 18.425,24.375
ARM_1V375 on L1 "Top Layer-No Net" (solid, remove dead copper, pour order 37): 18.5,30.959 20.244,30.959 ccw(c20.244,31.215) 20.425,31.034 ccw(c20.184,31.275) 20.525,31.275 20.525,37.559 20.525,37.832 ccw(c20.098,37.832) 20.4,38.134 ccw(c20.038,37.771) 20.038,38.284 19.1,38.284 18.877,38.284 ccw(c18.877,37.857) 18.575,38.159 ccw(c18.877,37.857) 18.45,37.857 18.45,31.484 18.45,31.19 ccw(c18.706,31.19) 18.525,31.009 ccw(c18.646,31.129) 18.646,30.959 18.75,30.959
SW4 on L1 "Top Layer-No Net" (solid, remove dead copper, pour order 36): 13.15,28.075 14.225,28.075 cw(c14.225,27.75) 14.55,27.75 ccw(c14.725,27.75) 14.725,27.575 16.725,27.575 16.95,27.575 cw(c16.95,27.55) 16.975,27.55 16.975,24.625 ccw(c17,24.625) 17,24.6 13.925,24.6 cw(c13.925,24.85) 13.675,24.85 13.675,27.425 ccw(c13.275,27.425) 13.275,27.825 cw(c13.275,27.925) 13.175,27.925 13.175,28.05
SW1 on L1 "Top Layer-No Net" (solid, remove dead copper, pour order 35): 4.25,24.775 5.9,24.775 ccw(c5.9,24.975) 6.1,24.975 6.1,25.475 6.1,25.725 cw(c6.475,25.725) 6.475,26.1 7.525,26.1 ccw(c7.525,26.275) 7.7,26.275 7.7,27.55 cw(c7.95,27.55) 7.95,27.8 8.05,27.8 ccw(c8.05,28) 8.25,28 ccw(c8.175,28) 8.175,28.075 8.05,28.075 4.55,28.075 ccw(c4.55,27.775) 4.25,27.775 4.25,24.8 cw(c4.225,24.8) 4.225,24.775
GND on L6 "Top Layer-No Net" (solid, remove dead copper, pour order 54): 10.2,26.325 cw(c10.225,26.325) 10.225,26.35 16.125,26.35 cw(c16.125,26.275) 16.2,26.275 16.2,22.325 ccw(c16.71,22.325) 16.71,21.815 18.475,21.815 21.785,21.815 cw(c21.785,20.325) 23.275,20.325 23.275,17.5 cw(c23,17.5) 23,17.225 22.8,17.025 16.2,17.025 14.05,14.875 10.199,14.875 10.199,26.349 10.275,26.425
GND on L6 "Top Layer-No Net" (solid, remove dead copper, pour order 53): 5.25,40.075 30.95,40.075 cw(c30.95,39.425) 31.6,39.425 31.6,31.35 cw(c31.325,31.35) 31.325,31.075 29.825,31.075 cw(c29.825,31.375) 29.525,31.375 29.525,32.575 ccw(c29.275,32.575) 29.275,32.825 27.85,32.825 cw(c27.85,33.2) 27.475,33.2 27.475,35.5 ccw(c27.25,35.5) 27.25,35.725 23.675,35.725 ccw(c23.675,35.45) 23.4,35.45 23.4,33.1 cw(c23.15,33.1) 23.15,32.85 1.975,32.85 cw(c1.975,33.275) 1.55,33.275 1.55,39.512 cw(c2.009,39.512) 2.009,39.97 5.295,39.97 ccw(c5.295,40.025) 5.35,40.025
ARM_1V375 on L6 "Top Layer-No Net" (solid, remove dead copper, pour order 51): 18.425,34.925 18.475,34.875 20.475,34.875 ccw(c20.475,35.15) 20.75,35.15 20.75,35.2 20.75,36.575 cw(c20.975,36.575) 20.975,36.8 22.3,36.8 ccw(c22.3,36.975) 22.475,36.975 22.475,38.25 ccw(c22.275,38.25) 22.275,38.45 18.7,38.45 ccw(c18.7,38.1) 18.35,38.1 18.35,35.05 ccw(c18.525,35.05) 18.525,34.875
GND on L6 "Top Layer-No Net" (solid, remove dead copper, pour order 50): 26.425,8.525 49.875,8.525 ccw(c49.875,9.75) 51.1,9.75 51.1,26.9 cw(c52.175,26.9) 52.175,27.975 54.925,27.975 ccw(c54.925,28.6) 55.55,28.6 55.55,30.875 ccw(c54.75,30.875) 54.75,31.675 27.55,31.675 ccw(c27.55,31.025) 26.9,31.025 26.9,9.85 ccw(c28.275,9.85) 28.275,8.475
GND on L6 "Top Layer-No Net" (solid, remove dead copper, pour order 45): 24.25,25.475 24.275,25.5 28.325,25.5 29.75,25.5 29.75,25.8 29.75,29.4 ccw(c29.325,29.4) 29.325,29.825 26.425,29.825 cw(c26.425,30.3) 25.95,30.3 25.95,30.9 ccw(c25.525,30.9) 25.525,31.325 23.725,31.325 ccw(c23.725,30.925) 23.325,30.925 23.325,25.95 ccw(c23.8,25.95) 23.8,25.475 24.25,25.475
+DDR_VREF on L6 "Top Layer-No Net" (solid, remove dead copper, pour order 38): 61.55,24.05 59.775,24.05 cw(c59.775,24.2) 59.625,24.2 59.625,26.4 cw(c59.775,26.4) 59.775,26.55 60.9,26.55 cw(c60.9,26.4) 61.05,26.4 61.05,24.875 ccw(c61.125,24.875) 61.125,24.8 61.7,24.8 cw(c61.7,24.725) 61.775,24.725 61.775,24.175 cw(c61.65,24.175) 61.65,24.05 61.6,24.05 cw(c61.6,24.075) 61.575,24.075
GND on L6 "Top Layer-No Net" (solid, remove dead copper, pour order 34): 52.738,23.322 50.213,23.322 50.163,23.322 ccw(c50.163,22.747) 49.588,22.747 49.588,17.522 ccw(c49.938,17.522) 49.938,17.172 52.423,17.172 ccw(c52.423,17.442) 52.693,17.442 52.693,22.892 ccw(c52.263,22.892) 52.263,23.322
SOC_1V375 on L6 "Top Layer-No Net" (solid, remove dead copper, pour order 31): 36.875,14.9 36.85,14.925 34.9,14.925 34.825,14.925 cw(c34.825,15.3) 34.45,15.3 34.45,15.8 cw(c35,15.8) 35,16.35 35.325,16.35 cw(c35.325,16.075) 35.6,16.075 ccw(c35.65,16.075) 35.65,16.025 37.45,16.025 cw(c37.45,15.95) 37.525,15.95 37.525,15.425 cw(c37.45,15.425) 37.45,15.35 37.275,15.35 36.925,15.35 ccw(c36.925,15.25) 36.825,15.25 36.825,14.9
+3V3 on L6 "Top Layer-No Net" (solid, remove dead copper, pour order 56): 29.1,22.75 29.4,22.75 ccw(c29.4,23) 29.65,23 29.65,23.275 cw(c29.775,23.275) 29.775,23.4 30.825,23.4 cw(c30.825,23.225) 31,23.225 31,21.425 cw(c30.875,21.425) 30.875,21.3 30.7,21.3 ccw(c30.7,20.975) 30.375,20.975 cw(c30.175,20.975) 30.175,20.775 30.025,20.775 29.175,20.775 cw(c29.175,20.95) 29,20.95 29,22.6 cw(c29.15,22.6) 29.15,22.75
+VIN on L2 "Top Layer-No Net" (solid, remove dead copper, pour order 33): -0.05,21.725 15.625,21.725 ccw(c15.625,23.05) 16.95,23.05 16.95,32.85 cw(c17.7,32.85) 17.7,33.6 18.65,33.6 ccw(c18.65,33.875) 18.925,33.875 18.925,38.05 ccw(c18.275,38.05) 18.275,38.7 8.325,38.7 ccw(c8.325,37.85) 7.475,37.85 7.475,34.4 cw(c6.7,34.4) 6.7,33.625 3.65,33.625 ccw(c3.65,32.7) 2.725,32.7 2.725,30.425 cw(c2.375,30.425) 2.375,30.075 0.475,30.075 ccw(c0.475,29.6) 0,29.6 0,22.5 ccw(c0.7,22.5) 0.7,21.8
ARM_1V375 on L2 "Top Layer-No Net" (solid, remove dead copper, pour order 52): 18.1,34.025 ccw(c18.7,34.025) 18.7,33.425 30.575,33.425 cw(c30.575,32.125) 31.875,32.125 31.875,31.85 31.875,23.25 cw(c31.45,23.25) 31.45,22.825 ccw(c31.45,22.375) 31,22.375 31,21.825 31,20.925 ccw(c31.375,20.925) 31.375,20.55 38.2,20.55 ccw(c38.2,20.775) 38.425,20.775 38.425,25 ccw(c38.05,25) 38.05,25.375 35.65,25.375 cw(c35.65,25.825) 35.2,25.825 35.2,37.275 ccw(c34.225,37.275) 34.225,38.25 18.725,38.25 ccw(c18.725,37.625) 18.1,37.625
+1V1_VDDSOC_CAP on L2 "Top Layer-No Net" (solid, remove dead copper, pour order 59): 37.675,20.325 38.45,20.325 cw(c38.45,20.175) 38.6,20.175 38.6,16.375 cw(c38.425,16.375) 38.425,16.2 37.675,16.2 cw(c37.675,16.45) 37.425,16.45 37.425,17.7 ccw(c37.225,17.7) 37.225,17.9 34.725,17.9 cw(c34.725,18.05) 34.575,18.05 34.575,18.55 cw(c34.65,18.55) 34.65,18.625 35.75,18.625 ccw(c35.75,18.95) 36.075,18.95 36.075,19.4 cw(c36.2,19.4) 36.2,19.525 37.475,19.525 ccw(c37.475,19.625) 37.575,19.625 37.575,20.2 cw(c37.7,20.2) 37.7,20.325
+1V2_VDD_ARM_CAP on L2 "Top Layer-No Net" (solid, remove dead copper, pour order 60): 36.605,17.897 cw(c36.605,17.877) 36.625,17.877 36.625,16.1 cw(c36.45,16.1) 36.45,15.925 35.825,15.925 33.1,15.925 cw(c33.1,17.25) 31.775,17.25 31.775,17.35 ccw(c31.5,17.35) 31.5,17.625 31.3,17.625 cw(c31.3,17.9) 31.025,17.9 31.025,20.175 cw(c31.25,20.175) 31.25,20.4 36.425,20.4 cw(c36.425,20.2) 36.625,20.2 36.625,17.85 ccw(c36.65,17.85) 36.65,17.825
SOC_1V375 on L3 "Top Layer-No Net" (solid, remove dead copper, pour order 49): 31.325,20.65 31.45,20.525 35.95,20.525 37.4,20.525 cw(c37.4,20.325) 37.6,20.325 37.6,15.6 cw(c37.075,15.6) 37.075,15.075 33.05,15.075 cw(c33.05,15.35) 32.775,15.35 32.775,16.675 ccw(c32.65,16.675) 32.65,16.8 cw(c32.65,18.275) 31.175,18.275 31.175,18.65 31.175,19.875 cw(c31.825,19.875) 31.825,20.525
+3V3 on L3 "Top Layer-No Net" (solid, remove dead copper, pour order 57): 0.05,31.1 0.125,31.025 5.175,31.025 10.75,31.025 cw(c10.75,30.5) 11.275,30.5 11.275,27.5 ccw(c12,27.5) 12,26.775 19.2,26.775 ccw(c19.2,27.425) 19.85,27.425 19.85,30.575 cw(c20.525,30.575) 20.525,31.25 28.65,31.25 ccw(c28.65,32.075) 29.475,32.075 29.475,33.4 ccw(c28.975,33.4) 28.975,33.9 18.475,33.9 ccw(c18.475,33.275) 17.85,33.275 17.85,30.525 cw(c17.125,30.525) 17.125,29.8 14.1,29.8 cw(c14.1,30.4) 13.5,30.4 13.5,33.625 ccw(c13.025,33.625) 13.025,34.1 0.475,34.1 ccw(c0.475,33.625) 0,33.625 0,31.475 ccw(c0.425,31.475) 0.425,31.05
+1V1_VDDSOC_CAP on L3 "Top Layer-No Net" (solid, remove dead copper, pour order 58): 37.75,20.475 38.325,20.475 cw(c38.325,20.375) 38.425,20.375 38.425,18.8 ccw(c38.6,18.8) 38.6,18.625 cw(c38.6,18.525) 38.7,18.525 38.7,18.375 38.7,16.325 cw(c38.6,16.325) 38.6,16.225 37.75,16.225 cw(c37.75,16.325) 37.65,16.325 37.65,20.325 cw(c37.8,20.325) 37.8,20.475
GND on GND "Top Layer-No Net" (solid, remove dead copper, pour order 40): -0.6,-0.225 -0.525,-0.15 68.025,-0.15 68.025,39.5 67.225,40.3 66.9,39.975 -0.4,39.975 -0.4,0.275 0.275,-0.4

## Keep-outs
Keep-Out Layer:
  lines w0.013: 0,2.5 ccw(c2.5,2.5) 2.5,0 ; 0,2.5 ccw(c2.5,2.5) 2.5,0 ; 0,2.5 0,37.5 cw(c2.5,37.5) 2.5,40 65,40 cw(c65,37.5) 67.5,37.5 67.5,2.5 cw(c65,2.5) 65,0 2.5,0

## Other copper
L1:
  rectangle net SW3: 13.25,32.65 16.825,33.6
  rectangle net SW3: 13.25,32.35 14.075,33.575
  rectangle net +VIN: 6.5,1.925 8.025,2.95
  rectangle net GND: 3.55,19.55 4.825,20.95
  rectangle net SOC_1V375: 0.469,24.771 3.419,27.771
  rectangle net +3V3: 0.35,30.925 3.3,33.925
  rectangle net +VIN: 0.15,21.875 4.05,23.725
  rectangle net VIN: 7.575,18.75 9.6,21.9
  rectangle net +VIN: 1.65,21.325 5.3,23.1
  rectangle net VIN: 6.375,20.3 8.275,22.7
  rectangle net +VIN: 14.15,29.725 14.925,30.675
  region net +VIN: 14.775,29.95 14.775,30.45 14.1,30.45 14.1,29.95
  region net +VIN: 8.275,29.825 8.275,30.6 5.7,30.6 5.7,29.825
  rectangle net ARM_1V375: 18.55,33.55 24.5,37.275
  rectangle net SOC_1V375: 32.86,15.9 38.625,16.284
  region net +2V5_VDDHIGH_VPH: 31.26,17.084 31.66,16.684 32.06,17.084
  region net GND: 34.46,18.684 34.116,18.34 34.004,18.34 33.66,18.684
  region net GND: 32.86,18.684 32.51,18.334 32.16,18.684
  region net GND: 32.51,18.334 32.485,18.309 31.635,18.309 31.26,18.684 32.635,18.684 32.635,18.459 32.535,18.359
  region net GND: 31.26,15.484 31.66,15.884 32.06,15.484
  region net GND: 32.86,15.484 33.235,15.109 33.61,15.484
  region net GND: 33.65,15.439 34.005,15.084 34.06,15.084 34.46,15.484 33.66,15.484
  region net GND: 38.46,15.484 38.46,15.434 38.835,15.059 39.26,15.484
  region net SOC_1V375: 36.06,16.284 36.06,16.221 36.416,15.865 36.835,16.284
  region net +VDDPU: 31.26,22.684 31.635,22.309 31.685,22.309 32.06,22.684
  region net +VDDPU: 32.86,22.684 36.06,22.684 36.41,22.334 31.61,22.334 31.55,22.394 32.15,22.575
  region net GND: 31.26,21.084 31.26,20.915 31.5,20.675 38.425,20.675 38.425,20.775 38.46,21.084 38.415,21.039 38.46,20.94 38.46,21.084
  region net ARM_1V375: 31.26,21.884 38.46,21.884 38.035,21.459 36.435,21.459 31.66,21.484
  region net SW2: 8.025,32.396 8.025,33.196 ccw(c7.35,33.196) 7.35,33.871 4.85,33.871 ccw(c4.85,33.496) 4.475,33.496 4.475,32.671 ccw(c4.8,32.671) 4.8,32.346 7.85,32.346 ccw(c7.85,32.546) 8.05,32.546
L3:
  rectangle net +3V3: 6.8,33.55 8,34.925
L6:
  rectangle net GND: 3.1,19.725 4.6,21.175
  rectangle net MPCIE_3V3: 18.15,6.575 21.5,8.5
  rectangle net +VIN: 2.35,29.8 5.575,30.725
  rectangle net +VIN: 4.325,29.825 7.225,30.725
  rectangle net +VIN: 6.775,25.8 9.225,27.425
  rectangle net VIN: 8.475,18.75 9.475,21.925
  rectangle net GND: 49.235,20.834 49.935,22.009
  rectangle net MPCIE_3V3: 11.65,25.95 12.425,27.3
  rectangle net +3V3: 25.4,30.65 29.05,32.425
  rectangle net +3V3: 33.575,24.45 36.125,25.625
  rectangle net +1V5_DDR: 38.725,16.5 39.725,19.325
  rectangle net +1V5_DDR: 58.091,8.965 59.276,10.175
  rectangle net SOC_1V375: 37.15,14.3 37.526,15.904
  rectangle net SOC_1V375: 34.95,14.925 37.35,15.575
  rectangle net +1V5_DDR: 20.675,25.475 24.25,26.675
  rectangle net +1V5_DDR: 20.675,25.825 22.6,28.35
  rectangle net SOC_1V375: 0.25,24.8 2.325,28.575
  rectangle net VIN: 7.725,20.925 8.775,21.9
  rectangle net MPCIE_3V3: 16.525,31.175 17.6,35.95

## Silkscreen, mask and mechanical layers (free items; w line width, h text height)
Top Overlay:
  text "BCS" at 34.325,39.125 h1
  text "7" at 32.632,38.36 h1
  text "5" at 34.796,38.36 h1
  text "8" at 31.55,38.35 h1
  text "6" at 33.714,38.35 h1
  text "4" at 35.879,38.35 h1
  text "3" at 36.961,38.35 h1
  text "2" at 38.043,38.35 h1
  text "1" at 39.125,38.35 h1
  text "v1.1" at 58.35,33.025 h1
  text "Cuav Hack LINK" at 40.45,32.925 h2.5
  text "PWR" at 67,25.425 h1 r90
  text "ST-LED" at 67,11.375 h1 r90
  text "SW" at 19.15,6.4 h1
  text "HDMI IN" at 57.625,1.875 h1 r90
Top Solder:
  lines w0.15: 24.75,9.5 24.75,8.975 28.15,8.975 ; 24.75,27.25 24.75,29.975 27.225,29.975 ; 43.025,29.975 45.75,29.975 45.75,27.5 ; 43.275,9 45.75,9 45.75,9.65

## Text inside footprints (layer, text, board x,y; h text height)
J1: Mechanical 12 "33" at 10.929,24.351 h0.25 r270; Mechanical 12 "46" at 19.029,29.551 h0.25 r270; Mechanical 12 "31" at 10.929,23.551 h0.25 r270; Mechanical 12 "23" at 10.929,20.351 h0.25 r270; Mechanical 12 "16" at 19.029,14.351 h0.25 r270; Mechanical 12 "44" at 19.029,28.751 h0.25 r270; Mechanical 12 "8" at 19.029,10.948 h0.25 r270; Mechanical 12 "30" at 19.029,23.151 h0.25 r270; Mechanical 12 "10" at 19.029,11.951 h0.25 r270; Mechanical 12 "12" at 19.029,12.751 h0.25 r270; Mechanical 12 "11" at 10.829,12.471 h0.25 r270; Mechanical 12 "14" at 19.029,13.551 h0.25 r270; Mechanical 12 "13" at 10.829,13.271 h0.25 r270; Mechanical 12 "42" at 19.029,27.951 h0.25 r270; Mechanical 12 "25" at 10.929,21.151 h0.25 r270; Mechanical 12 "28" at 19.029,22.351 h0.25 r270; Mechanical 12 "6" at 19.029,10.148 h0.25 r270; Mechanical 12 "48" at 19.029,30.351 h0.25 r270; Mechanical 12 "1" at 10.829,8.148 h0.25 r270; Mechanical 12 "22" at 19.029,19.951 h0.25 r270; Mechanical 12 "20" at 19.029,19.151 h0.25 r270; Mechanical 12 "32" at 19.029,23.951 h0.25 r270; Mechanical 12 "38" at 19.029,26.351 h0.25 r270; Mechanical 12 "36" at 19.029,25.551 h0.25 r270; Mechanical 12 "52" at 19.029,31.951 h0.25 r270; Mechanical 12 "24" at 19.029,20.751 h0.25 r270; Mechanical 12 "2" at 19.029,8.548 h0.25 r270; Mechanical 12 "41" at 10.929,27.551 h0.25 r270; Mechanical 12 "39" at 10.929,26.751 h0.25 r270; Mechanical 12 "18" at 19.029,18.351 h0.25 r270; Mechanical 12 "34" at 19.029,24.751 h0.25 r270; Mechanical 12 "43" at 10.929,28.351 h0.25 r270; Mechanical 12 "4" at 19.029,9.348 h0.25 r270; Mechanical 12 "9" at 10.829,11.368 h0.25 r270; Mechanical 12 "15" at 10.829,14.071 h0.25 r270; Mechanical 12 "21" at 10.929,19.551 h0.25 r270; Mechanical 12 "40" at 19.029,27.151 h0.25 r270; Mechanical 12 "50" at 19.029,31.151 h0.25 r270; Mechanical 12 "27" at 10.929,21.951 h0.25 r270; Mechanical 12 "29" at 10.929,22.751 h0.25 r270; Mechanical 12 "35" at 10.929,25.151 h0.25 r270; Mechanical 12 "37" at 10.929,25.951 h0.25 r270; Mechanical 12 "26" at 19.029,21.551 h0.25 r270; Mechanical 12 "49" at 10.929,30.751 h0.25 r270; Mechanical 12 "47" at 10.929,29.951 h0.25 r270; Mechanical 12 "45" at 10.929,29.151 h0.25 r270; Mechanical 12 "5" at 10.829,9.748 h0.25 r270; Mechanical 12 "51" at 10.929,31.551 h0.25 r270; Mechanical 12 "3" at 10.829,8.948 h0.25 r270; Mechanical 12 "17" at 10.929,17.951 h0.25 r270; Mechanical 12 "19" at 10.929,18.751 h0.25 r270; Mechanical 12 "7" at 10.829,10.548 h0.25 r270